# KiCad board fpgaboard.kicad_pcb (continued)
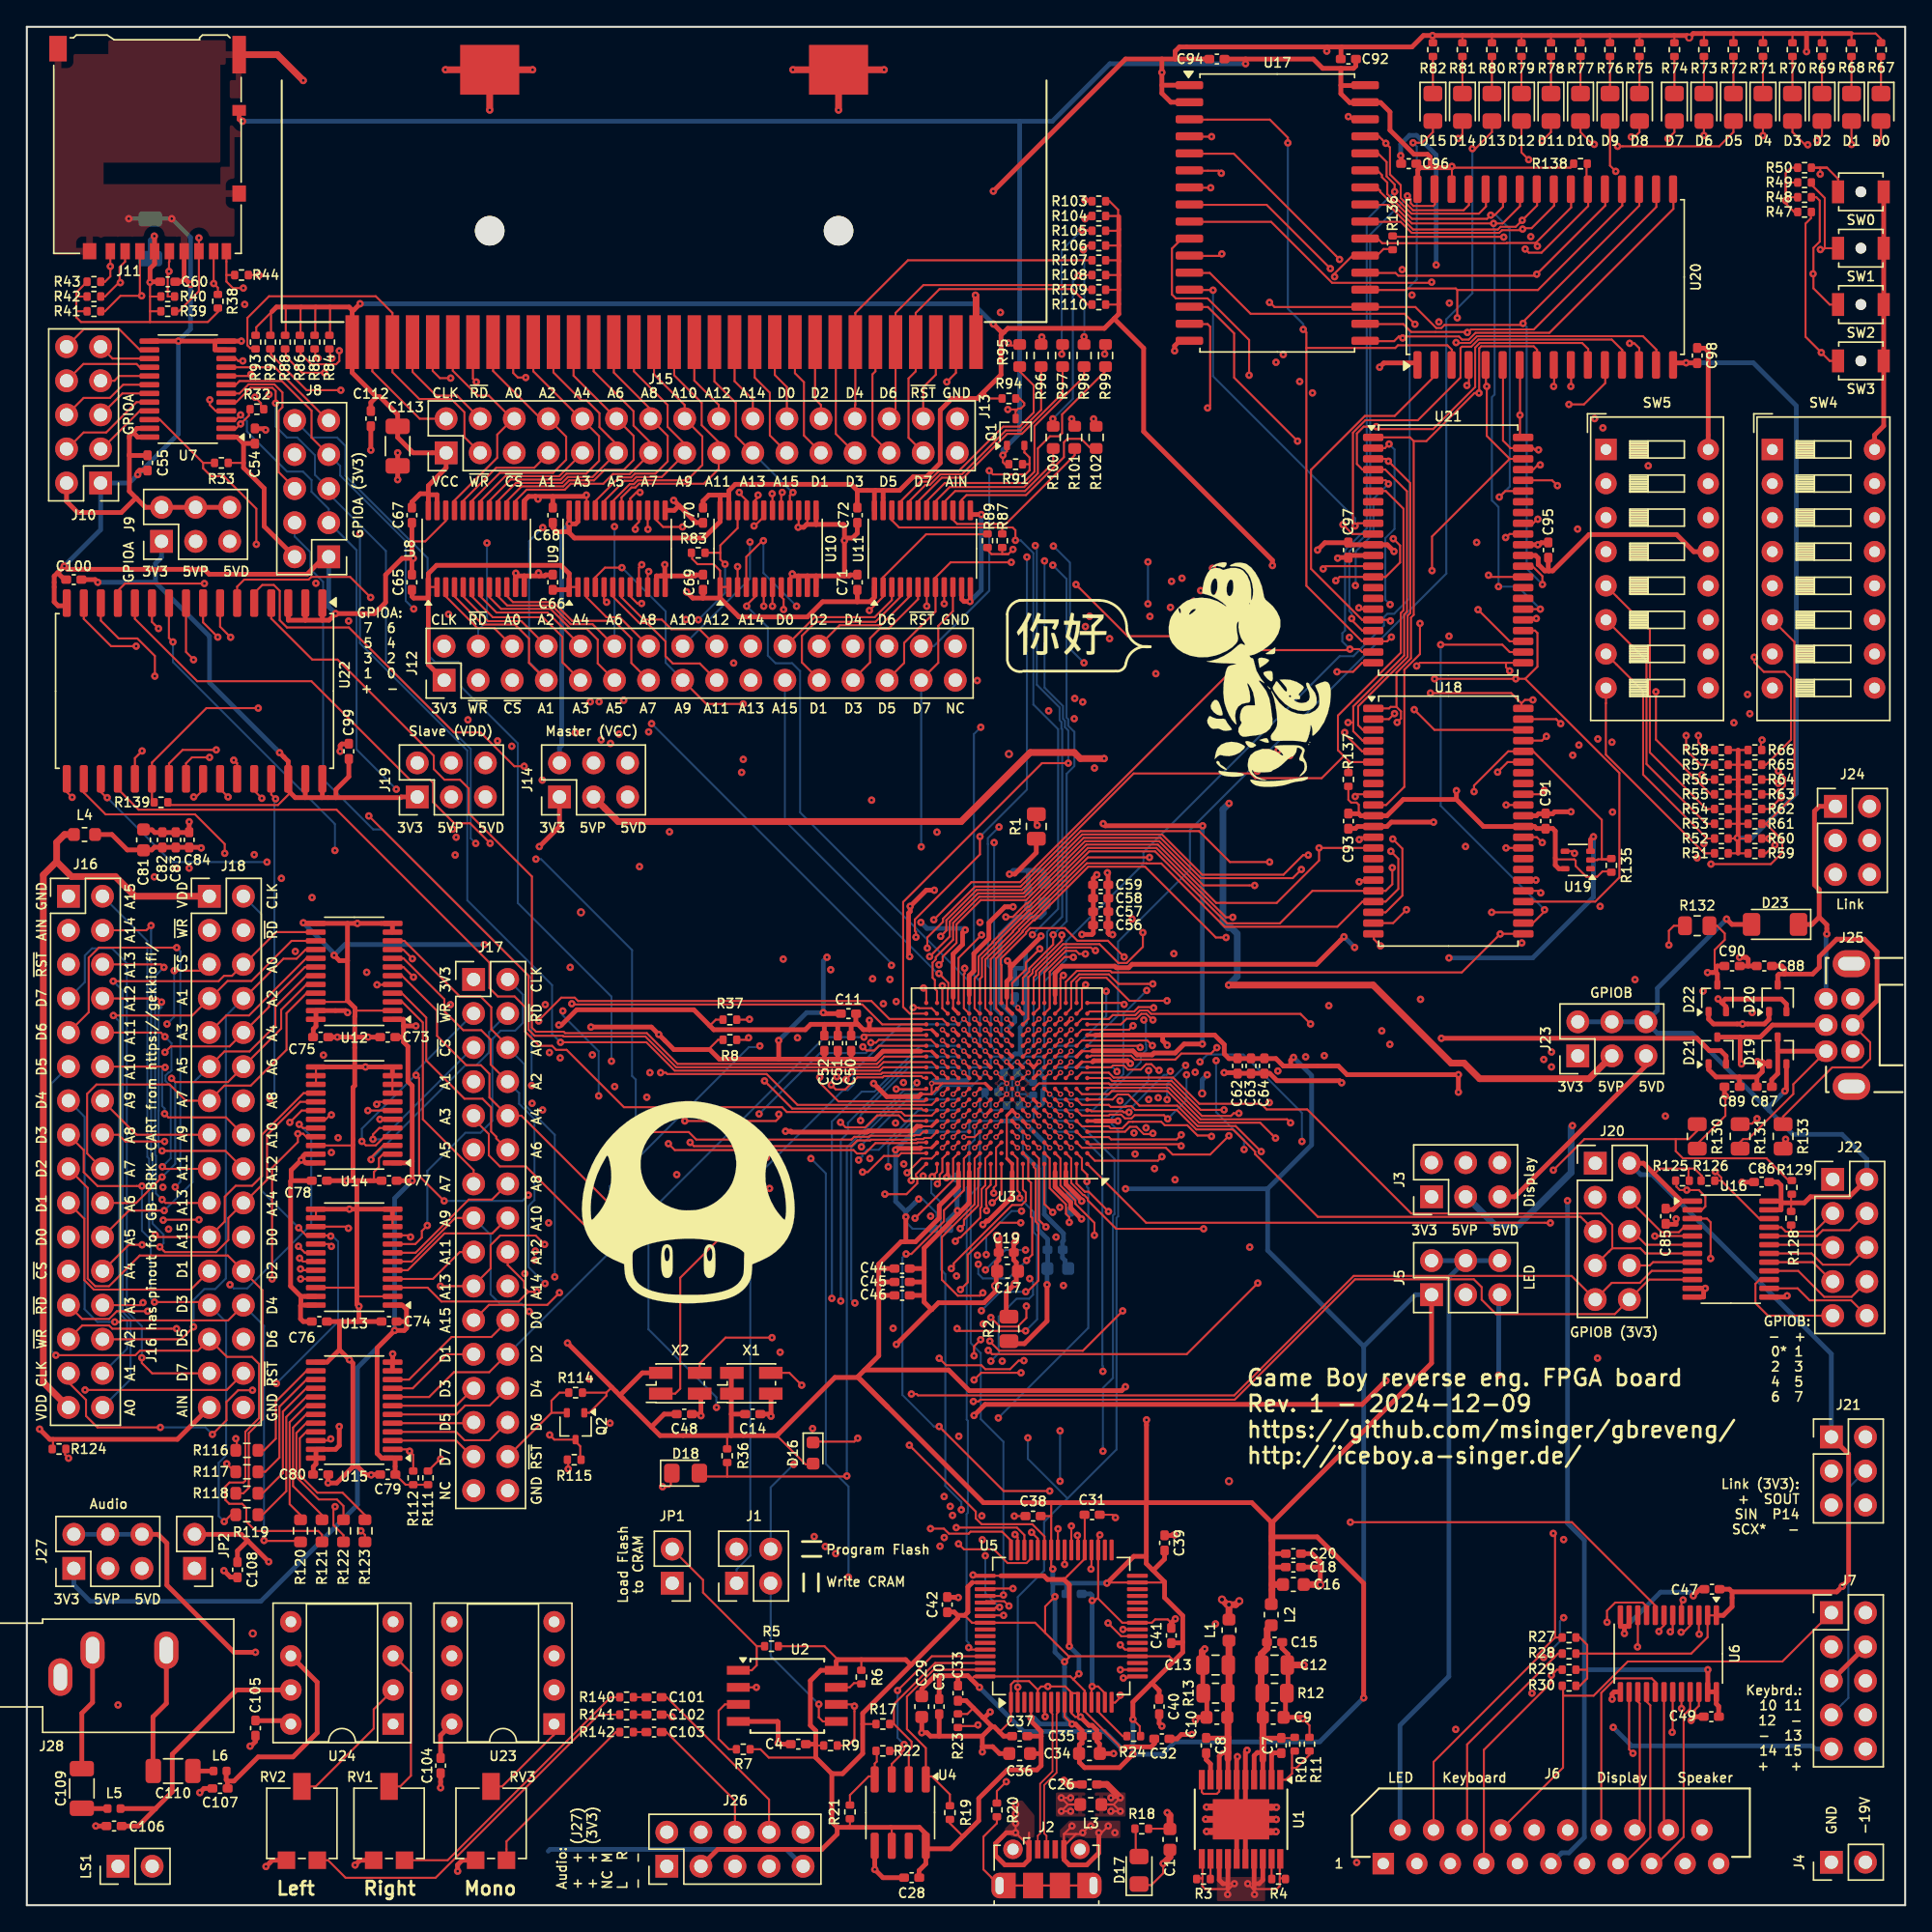
[diagram p0: board, top side]
## Routing (per net, layer and track width the routed paths; a pad name or vN(x,y) marks a point on that pad's centre or on a via; arc(x,y) is an arc through that point) (continued)
  Bottom w0.35: v1(109.7,39.5) 109.7,45.42 J5.5
+5VP: length 420.4
  Top w0.15: U1.11 87.62,3.4 87.62,2.05 87.57,2 ; v1(89.5,0.8) 89.53,0.82 89.53,1.2 ; 89.53,1.3 89.7,1.3 v1(90,1.6) ; v1(91,1.6) 91.38,1.22 91.47,1.22 ; 93.43,2 93.39,2.04 93.39,3.41 U1.20 ; 93.43,2 93.75,2 ; 93.43,2 93.38,1.96 93.38,1.42 93.16,1.2 91.5,1.2 91.47,1.22 ; 85.2,5.65 85.15,5.7 83.55,5.7 ; 87.57,2 87.25,2 ; 87.57,2 87.62,1.96 87.62,1.4 87.82,1.2 89.53,1.2 ; 89.53,1.2 89.53,1.22 ; 80.05,7.5 81,7.5 ; 81,7.5 v1(81.5,7) v1(80.8,7) ; 81,7.5 v1(81.5,8) v1(80.8,8) ; v1(91.5,0.8) 91.47,0.82 91.47,1.22
  Top w0.35: 89.53,1.22 89.53,1.6 ; 89.53,1.6 89.15,1.6 88.88,1.88 U1.13 ; 89.53,1.6 U1.14 ; 91.47,1.6 91.85,1.6 92.12,1.88 U1.18 ; 91.47,1.6 U1.17 ; 91.47,1.6 91.47,1.22
  Top w0.5: J23.3 116.44,61.6 108.28,61.6 107.12,62.76 106.16,62.76 100.35,68.58 v1(89.57,68.58) ; 85.2,5.65 85.2,6.7 v1(85,6.9) ; v1(80.3,85.46) 78.52,85.46 78.07,85.91 74.79,85.91 69.64,80.77 44.07,80.77 J14.3 ; v1(81.5,8) 80.5,9 79.75,9
  In1.Cu w0.5: J3.3 109.34,50.7 111.1,50.7 111.7,50.1 111.7,43.4 ; 111.7,43.4 109.3,43.4 107.24,45.46 J5.3 ; 111.7,43.4 111.7,18.3 v1(106.5,13.1) ; v1(115.2,58.1) 118.14,61.04 J23.3
  In2.Cu w0.5: v1(81.5,8) 79.9,9.6 78.5,9.6 77.5,10.6 54.5,10.6 42,23.1 8.04,23.1 J27.3 7.33,26.39 7.33,42.69 7.65,43.01 7.65,43.59 7.3,43.94 7.3,80.3 ; v1(91.5,0.8) 94.2,0.8 v1(106.5,13.1) ; 7.3,80.3 7.65,79.95 30.15,79.95 31.64,81.44 31.64,81.76 ; 7.3,80.3 7.3,93.9 12.58,99.18 J9.3 ; v1(80.3,85.46) 86.27,85.46 v1(89.61,82.12) ; 31.64,81.76 J19.3 31.64,81.76 ; 31.64,81.76 33.1,80.3 41.6,80.3 42.24,80.94 J14.3
  Bottom w0.5: v1(89.61,82.12) 89.15,81.66 89.15,73.25 89.54,72.86 89.76,72.86 90.21,72.41 90.21,69.22 v1(89.57,68.58) ; J3.3 107.3,52.8 109.4,50.7 111.2,50.7 115.1,54.6 115.1,58 v1(115.2,58.1)
/Audio/VCC_AMP: length 67
  Top w0.35: J27.6 9.78,27.64 10.44,26.98 10.44,23.85 15.44,18.85 v1(17.04,18.85) ; U23.8 30.84,12.66 30.84,10.95 ; 17.04,13.75 19.43,13.75 U24.8
  In1.Cu w0.35: U24.8 17.04,16.14 v1(17.04,18.85) ; J26.1 J26.2
  In2.Cu w0.35: J26.2 39.74,5.44 U23.8 29.23,11.05 22.13,11.05 U24.8
  Bottom w0.35: J27.2 J27.4 J27.6
/Bank0: Display, Keyboard, Clock/-19V: length 35.1
  In2.Cu w0.35: J6.3 105.23,1.47 135.68,1.47 137.04,2.83 J4.2
/Bank0: Display, Keyboard, Clock/VCC_DISP: length 76
  Top w0.35: 126.1,14.05 126.1,14.82 125.93,15 125.93,15.9 125.28,15.9 125.29,15.91 v1(125.29,17.55)
  In2.Cu w0.35: v1(114.83,52.51) 112,55.34 J3.6 J3.4 J3.2
  Bottom w0.35: 116.09,17.6 116.14,17.55 v1(125.29,17.55) ; 116.09,17.6 116.09,5.05 114.94,3.9 114.4,3.9 J6.11 ; 116.09,17.6 116.09,27.2 114.83,28.46 v1(114.83,52.51)
/Bank1: GPIOA/VCC_GPIO_A: length 24
  Top w0.35: 9.15,110.08 8.22,110.08 7.84,109.7 ; 8.18,104.85 7.64,105.39 7.64,108.05 ; 8.18,104.85 8.09,104.85 7.04,103.8 3.79,103.8 2.96,104.63 J10.2 ; 8.18,104.85 8.84,104.19 J9.2 J9.4 J9.6 ; 7.64,108.05 7.64,109.5 7.84,109.7 ; 7.64,108.05 9,108.05 ; 7.84,109.7 7.99,109.7 8.25,109.44 8.25,109.42 9.15,109.42
/External Link Port, GPIOB/VCC_ELP: length 17.9
  Top w0.35: 133.59,73.64 133.05,73.1 D23.1 ; 133.59,73.64 133.59,75.7 133.24,76.05 133.24,81.54 133.6,81.9 J24.1 ; 133.59,73.64 134.16,73.07 v1(134.16,72.39)
  Bottom w0.35: J25.1 134.1,72.33 v1(134.16,72.39)
/External Link Port, GPIOB/VCC_GPIO_B: length 56.6
  Top w0.15: 131.5,51.65 131.5,52.94 R129.1
  Top w0.35: 130.75,52.3 130.8,52.35 132.49,52.35 132.94,52.8 135.84,52.8 J22.2 ; 130.75,52.47 130.75,53.65 130.5,53.9 129.85,53.9 ; 130.75,52.47 130.75,51.83 129.85,51.83 ; 130.75,52.47 129.85,52.47 ; v1(126.69,73.5) 127.09,73.1 D23.2 ; D19.2 131.15,60.8 v1(131.03,60.68)
  Bottom w0.35: 129.84,59.25 129.84,59.49 v1(131.03,60.68) ; 129.84,59.25 131.64,57.45 135.29,57.45 137.14,55.6 J22.2 ; 129.84,59.25 124.1,64.99 121.53,64.99 J23.6 ; v1(126.69,73.5) 121.53,68.34 121.53,66.69 J23.6 ; J23.6 J23.4 J23.2
/Power, USB, SPI/GNDPLL0: length 13.9
  Top w0.25: U3.N8 v3(73.04,65.25)
  Bottom w0.35: 74.64,73.65 75.54,73.65 75.84,73.95 75.84,74.7 ; 74.64,73.65 74.64,74.5 ; 74.64,73.65 73.84,73.65 72.54,72.35 72.54,67.26 73.64,66.15 73.64,65.85 v3(73.04,65.25)
/Power, USB, SPI/GNDPLL1: length 12.5
  Top w0.25: U3.E7 v3(74.64,58.05)
  Bottom w0.15: 75.84,56.85 75.84,56.05
  Bottom w0.35: 75.84,56.85 v3(74.64,58.05) ; 77.19,48.85 77.19,49.45 77.26,49.52 77.26,50.06 75.84,51.49 75.84,56.05 ; 77.19,48.85 77.19,48.25 77.39,48.05 77.39,47.65 77.59,47.45 ; 77.19,48.85 77.24,48.85
/Power, USB, SPI/VBUS: length 15
  Top w0.15: 74.7,4.4 v1(73.7,5.4) v1(73.7,6.1) v1(73.7,6.8) v1(73.7,7.5) ; 74.7,4.4 J2.1 ; 74.7,4.4 74.7,5.4 ; 78.55,7.5 77.6,7.5 ; 77.6,7.5 v1(77.1,8) v1(77.8,8) ; 77.6,7.5 v1(77.1,7) v1(77.8,7)
  Top w0.35: v1(73.7,5.4) 73,5.4 72.2,4.6 72.2,3.7 72.9,3 74.3,3 74.7,3.4 J2.1
/Power, USB, SPI/VCCPLL0: length 24.7
  Top w0.25: U3.L8 v3(73.04,63.65)
  Top w0.35: v1(73.24,76.85) 73.64,76.85 75.24,78.45 75.24,79.45
  In1.Cu w0.35: v3(73.04,63.65) 73.64,64.25 73.64,66.36 73.24,66.76 73.24,69.41 71.94,70.71 71.94,72.35 71.37,72.92 71.37,72.92 v1(71.04,73.25)
  In2.Cu w0.35: v1(71.04,73.25) 71.04,74.65 v1(73.24,76.85)
  Bottom w0.35: v1(73.24,76.85) 73.51,77.12 74.64,77.12 ; 75.84,76.2 75.84,76.95 75.67,77.12 74.64,77.12 ; 74.64,77.12 74.64,75.6
/Power, USB, SPI/VCCPLL1: length 19.8
  Top w0.25: U3.E8 v3(73.84,58.05)
  Top w0.35: v1(76.04,46.25) 76.04,43.54 74.35,41.85 73,41.85
  Bottom w0.15: 74.24,57.65 74.24,56.05
  Bottom w0.35: 74.24,57.65 v3(73.84,58.05) ; v1(76.04,46.25) 76.04,47.4 76.09,47.45 76.09,49.64 75.39,50.34 75.39,54.9 74.24,56.05
GND: length 2210.5
  Top w0.102: v3(73.84,61.25) U3.J7 v3(74.64,62.05) ; v3(73.04,61.25) U3.J9 v3(72.24,62.05) ; v3(73.84,60.45) U3.G7 v3(74.64,59.65) ; v3(72.24,59.65) U3.G9 v3(73.04,60.45)
  Top w0.15: 66.64,63.65 67.44,63.65 ; 66.64,58.05 67.44,58.05 ; v1(3.11,33.31) 2.85,33.58 2.85,34 ; 21.55,46.03 24.58,46.03 24.6,46.05 ; 126.75,80.6 128.35,80.6 ; v1(79.97,27.59) 79.85,27.47 79.85,22.85 ; 129.39,139.5 129.4,139.49 129.4,138.75 ; 78.64,62.85 79.44,62.85 ; 75.35,16.05 74.7,16.7 73.6,16.7 73.35,16.45 73.35,13.75 72.5,12.9 ; 75.35,16.05 75.6,16.3 v1(76.1,16.3) 77.4,16.3 77.8,15.9 77.8,15.8 ; 75.35,16.05 75.35,15.1 ; v1(104.77,139.35) 104.8,139.32 104.8,138.75 ; 41.72,103.95 41.72,105.08 v1(41.7,105.1) ; 25.84,54 25.87,54.03 25.87,54.65 26.24,55.02 26.24,55.66 26.55,55.97 27.25,55.97 ; 77.8,15.8 78.3,15.8 78.35,15.75 78.35,14.21 v1(78.53,14.03) 78.14,14.03 77.85,14.32 77.85,15.75 77.8,15.8 ; v1(47.38,31.19) 47.89,31.19 48,31.3 48,32.2 ; 128.35,82.8 126.75,82.8 ; 87.95,15.5 87.65,15.8 ; v1(73.65,27.63) 73.85,27.43 73.85,26.5 ; 58.08,102.95 58.17,103.05 58.17,103.95 ; v1(79.9,5.4) 80.1,5.4 v1(80.6,5.9) ; 50.9,63.77 50.9,63.88 51.52,64.5 51.95,64.5 ; 24.46,66.65 24.48,66.67 27.25,66.67 ; 128.35,86.1 126.75,86.1 ; 77.3,5.3 78.2,5.3 ; 77.3,5.3 77.3,4.4 ; 77.3,5.3 v1(77.9,5.9) ; 78.2,5.3 77.3,4.4 ; 78.2,5.3 78.6,5.3 v1(78.7,5.4) 79.2,5.9 v1(79.3,5.9) ; v1(57.49,102.7) 57.53,102.73 57.53,103.95 ; 57.53,98.25 57.53,99.08 ; 111.4,138.75 111.4,139.34 111.39,139.35 ; 21.55,56.62 24.28,56.62 24.31,56.65 ; v1(73.5,23.6) 71.45,23.6 71.4,23.55 ; v1(131.1,127.05) 131.35,127.3 132.05,127.3 ; v1(131.1,127.05) 131.1,127.05 131.1,126.84 131.73,126.2 132.05,126.2 ; v1(131.1,127.05) 131.1,127.65 ; 118,138.75 118,139.34 117.99,139.35 ; 126.75,83.9 128.35,83.9 ; 122.8,138.75 122.8,139.34 122.79,139.35 ; 133.8,138.75 133.8,139.46 133.84,139.5 ; 77.3,4.4 J2.5 77.3,4.4 ; 131.1,127.65 131.1,128.4 132.05,128.4 ; 131.1,127.65 131.1,129.11 131.49,129.5 132.05,129.5 ; 27.25,60.53 27.25,61.83 ; 31.22,103.95 31.22,103.18 29.7,101.65 28.7,101.65 ; 138.2,138.75 138.2,139.1 137.8,139.5 135.99,139.5 136,139.49 136,138.75 ; 27.25,50.58 27.25,51.22 ; 109.19,139.35 109.2,139.34 109.2,138.75 ; 124.33,14.05 124.33,14.56 124.62,14.85 124.62,15.9 ; 21.55,62.47 21.55,61.17 ; v1(81.13,28.88) 80.92,29.1 79.95,29.1 ; 82.9,1.5 83.82,1.5 84.7,2.38 v1(84.7,3.1) ; 16.45,121.5 17.29,121.5 v1(17.31,121.48) ; 27.25,45.38 24.67,45.38 24.6,45.45 ; 127.19,139.5 127.2,139.49 127.2,138.75 ; 79.85,22.85 79.75,22.85 79.6,22.7 v1(79.4,22.7) ; 79.85,22.85 81.65,21.05 83.85,21.05 84.1,21.3 85.04,21.3 85.3,21.04 ; 126.75,78.4 128.35,78.4 ; 87.65,17.85 87.6,17.9 ; 72.3,7.55 72.3,8.5 v1(73,9.2) ; 70.55,14.7 70.1,14.25 69.4,14.25 ; v1(95.1,13.9) 95.6,13.4 95.6,12.45 ; 126.75,81.7 128.35,81.7 ; 125,138.75 125,139.46 125.04,139.5 ; 131.64,139.5 131.6,139.46 131.6,138.75 ; 21.55,67.33 23.8,67.33 23.9,67.42 ; 113.6,138.75 113.6,139.34 113.59,139.35 ; 128.35,79.5 127.52,79.5 v1(127.48,79.54) 127.44,79.5 126.75,79.5 ; 57.05,99.08 57,99.08 56.88,98.95 56.88,98.25 ; 120.24,139.35 120.2,139.31 120.2,138.75 ; 21.55,51.22 21.55,51.88 ; 128.35,85 126.75,85 ; 80.35,15.1 80.35,15.8 79.85,16.3 v1(79.4,16.3) 79.35,16.25 79.35,15.1 ; 115.8,138.75 115.8,139.34 115.79,139.35 ; 106.99,139.35 107,139.34 107,138.75 ; 74.45,29 v1(73.6,29)
  Top w0.155: J11.11 2.33,138.18
  Top w0.25: U3.K2 78.64,62.85 ; U3.A12 70.24,54.65 ; 70.24,67.85 U3.T12 ; U3.A4 76.64,54.65 ; U3.R7 73.87,66.82 ; 76.64,67.85 U3.T4 ; 67.44,58.05 U3.E15 ; U3.L15 67.44,63.65 ; U3.K7 v3(73.84,62.85)
  Top w0.35: 69.43,51.53 70.24,52.34 70.24,54.65 ; 69.43,51.53 66.88,48.98 66.88,47.45 ; 69.43,51.53 69.43,51.69 v1(69.36,51.76) ; 98.5,80.25 99.03,80.25 99.18,80.4 101.38,80.4 101.7,80.72 v1(104.85,80.72) ; 60.94,101.9 60.94,102.85 60.88,102.91 58.83,102.91 ; 60.94,101.9 61.54,101.9 61.9,102.26 61.9,103.05 ; 60.94,101.9 v1(60.94,101.71) 60.94,99.08 ; 47.58,98.75 47.58,98.66 ; 47.58,98.75 47.58,99.08 ; 47.58,98.75 47.58,98.66 ; 47.58,98.66 47.58,98.25 ; 98,138.5 103.24,138.5 104.09,139.35 v1(104.77,139.35) 123.75,139.35 v2(123.9,139.2) 124.2,139.5 132.64,139.5 ; 98,138.5 96.92,138.5 ; 98,138.5 97.95,138.45 97.95,137.6 ; 118.78,21.6 118.78,20.77 119.07,20.77 ; v1(69.43,22.93) 69.14,22.93 69.13,22.95 68.6,22.95 ; v1(118.16,15.35) 118.16,15.74 118.32,15.9 118.78,15.9 ; v1(56.55,57.68) 56.94,57.68 57,57.62 62.63,57.62 62.71,57.7 66,57.7 66.35,58.05 66.64,58.05 ; 47.25,99.08 47.58,99.08 ; 47.25,99.08 46.92,99.08 46.92,98.25 ; 47.25,99.08 47.55,99.08 v1(47.55,99.92) ; 47.58,99.08 49.8,99.08 49.87,99.15 50.4,99.15 ; 26.35,32.1 25.77,32.1 25.74,32.07 v1(25.67,32.07) 25.28,32.07 24.65,32.7 24.3,32.7 ; 71.21,12.6 71.22,12.6 71.22,11.81 ; 71.21,12.6 71.9,13.29 ; 71.21,12.6 68,12.6 ; 23.9,73.17 23.9,70.4 ; 23.9,73.17 24.44,73.17 ; 23.9,73.17 20.66,73.17 v1(20.61,73.22) ; 23.9,70.4 23.9,67.42 24.46,66.87 24.46,66.26 24.44,66.24 24.44,64.65 ; 23.9,70.4 23.3,70.4 v1(22.9,70.8) ; 38.19,99.08 37.08,99.08 ; 38.19,99.08 38.19,99.25 v1(38.14,99.3) ; 38.19,99.08 38.6,99.08 38.67,99.15 39.2,99.15 ; 37.08,99.08 36.44,99.08 ; 37.08,99.08 37.08,98.25 ; 24.58,51.88 v1(24.04,51.88) 21.55,51.88 ; 24.58,51.88 27.25,51.88 27.25,51.22 ; 24.58,51.88 24.6,51.85 ; 22.03,95.77 22.03,96.85 ; 22.03,95.77 20.75,95.77 ; 22.03,95.77 22.52,95.77 v1(23.01,96.27) 25.91,96.27 26.74,97.1 26.74,99.15 27.97,100.38 v1(28.8,100.38) ; 124.98,45.97 v1(125.1,45.97) ; 124.98,45.97 124.15,45.97 ; 124.98,45.97 124.98,45.33 124.15,45.33 ; 132.64,139.5 135.99,139.5 ; 132.64,139.5 132.65,139.49 v1(132.65,138.15) ; 36.44,99.08 v1(36.44,99.28) ; 36.44,99.08 36.42,99.08 36.42,98.25 ; v1(72.04,127.75) 81.89,137.6 84.6,137.6 ; 94.95,26.2 95.8,26.2 96.41,25.59 96.41,25.2 ; 63.19,4.2 63.19,3.67 ; 63.19,3.67 63.19,3.15 ; 63.19,3.67 63.2,3.67 v1(63.2,2.66) 63.81,2.05 65.4,2.05 ; 55.08,38.12 X1.2 55.47,38.11 v1(55.47,36.44) 55.31,36.6 54.65,36.6 ; v1(27.64,108.25) v1(27.64,106.25) ; 24.44,73.17 v1(24.64,73.17) ; 24.44,73.17 27.25,73.17 27.25,72.53 ; 26.45,43.5 24.64,43.5 ; 122.4,50.75 122.93,50.75 v1(122.93,51.15) ; v1(48.21,104.71) 48.76,104.16 ; 48.76,104.16 48.61,104.31 48.26,103.96 U9.13 ; 48.76,104.16 49.87,103.05 50.4,103.05 ; 60.69,66.45 59.44,66.45 v1(59.37,66.52) ; 69.67,98.25 69.67,97.35 69.86,97.17 v1(70.29,97.17) 70.33,97.2 70.33,98.25 ; 14.02,116.58 v1(15.99,116.58) ; 14.02,116.58 14.02,115.92 14.85,115.92 ; 14.02,116.58 v1(11.29,116.58) 9.15,116.58 ; v1(89.24,62.05) 90.19,62.05 90.24,62 92.64,62 93.19,61.45 97.85,61.45 v1(98,61.3) ; 49.55,36.6 50.13,36.6 v1(50.25,36.48) 50.25,37.95 50.08,38.12 ; v1(85.55,115.85) 85.55,116.22 85.9,116.58 87.05,116.58 ; v1(67.64,75.65) 67.04,75.65 v1(65.84,74.45) 65.84,74.06 65.72,73.94 65.72,70.78 v1(65.8,70.7) ; U17.1 84.6,135.65 ; 84.6,135.65 84.6,135.05 85.27,134.38 U17.2 ; 84.6,135.65 v1(84.6,136.6) 84.6,137.6 ; 22.45,32.1 v1(22.45,31.47) 23.1,31.47 24.3,32.67 24.3,32.7 ; 71.22,11.81 71.99,11.81 72.5,11.3 73.25,11.3 ; 71.22,11.81 v1(71.22,11.42) ; 69.4,15.25 70,15.25 71.25,14 ; v1(78.64,72.35) 79.39,72.35 79.49,72.45 79.49,76.54 v1(79.75,76.8) ; v1(32.11,2.53) 32.11,3.01 32.45,3.35 RV3.3 ; v2(96.41,23.88) 96.41,25.2 ; 96.41,25.2 94.95,25.2 ; v1(30.84,8.75) 30.84,9.85 ; 85.59,137.6 84.6,137.6 ; 85.59,137.6 88.15,137.6 ; 85.59,137.6 85.59,138.18 85.91,138.5 96.92,138.5 ; 93.55,19.6 93.55,19.16 94,18.71 94,15.85 93.81,15.66 93.81,14.16 93.65,14 95,14 v1(95.1,13.9) ; v1(17.83,2.88) 18.29,3.35 RV2.3 ; 17,110.05 17.7,110.05 v1(17.8,109.95) ; v1(8.27,106.63) 8.27,106.82 8.4,106.95 9,106.95 ; v1(128.99,62.88) 129.38,62.88 129.46,62.81 129.35,62.7 ; 22.45,64.7 23.24,64.7 ; 23.24,64.7 v1(23.14,64.7) ; 23.24,64.7 24.49,64.7 ; 8.7,80.15 9.33,80.15 9.53,79.95 10.1,79.95 12.1,79.95 v1(12.1,80.75) ; v1(42.04,65.45) 46.55,65.45 v1(47.1,64.9) 48.23,63.77 50.9,63.77 51.62,63.06 56.04,63.06 ; 96.92,138.5 96.92,138.22 v1(96.89,138.19) ; 128.95,61.73 129.35,62.12 129.35,62.7 ; 128.95,61.73 128.95,61.2 ; 128.95,61.73 127.65,61.73 ; 56.04,63.06 59.44,63.06 ; 56.04,63.06 v1(56.04,64.45) ; v1(119.07,20.25) 119.07,20.77 ; 119.07,20.77 119.43,20.77 119.43,21.6 ; 24.44,62.45 24.44,64.65 ; 24.44,62.45 24.42,62.47 ; 24.44,62.45 24.44,61.08 24.31,60.95 24.31,54 ; 87.65,15.8 87.65,17.85 ; D22.1 125.35,66.04 125.71,65.68 v1(127.88,65.68) 129.51,65.68 129.85,66.02 D20.1 ; 11.73,121.22 11.5,121 11.05,121 ; 11.73,121.22 11.78,121.22 v1(12.2,120.8) ; 11.73,121.22 J11.6 ; 26.45,54 24.64,54 ; 60.94,99.08 61.3,99.08 61.37,99.15 61.9,99.15 ; 60.94,99.08 58.83,99.08 ; 127.55,86.1 127.55,78.4 ; 24.64,54 24.6,53.96 24.6,51.85 ; 24.64,54 24.31,54 ; 87.95,15.5 87.95,14 87.3,14 v1(87.1,13.8) ; v1(85.6,21.34) 85.3,21.04 85.3,20.65 ; 67.44,44.39 67.4,44.39 v1(64.81,41.8) ; 67.44,44.39 67.95,44.9 71.34,44.9 72.17,45.73 v2(72.17,46.16) 72.25,46.23 72.25,47.89 72.45,48.09 72.45,49.1 ; 67.44,44.39 66.88,44.95 66.88,45.45 ; 73.87,66.82 v3(73.87,66.9) ; 24.31,54 v1(23.84,54) 22.35,54 ; v1(57.49,102.7) 57.9,102.7 58.11,102.91 58.83,102.91 ; J2.5 77.3,3.4 77.7,3 79,3 79.9,3.9 v1(79.9,5.4) ; 24.64,43.5 23.3,43.5 ; 24.64,43.5 24.75,43.61 v1(24.75,44.64) 24.74,44.64 24.6,44.77 24.6,51.85 ; 68,14.25 68,12.6 ; 68,12.6 67.35,12.6 67.09,12.85 v1(66.7,12.85) 66.7,14.05 66.7,14.05 ; 24.42,62.47 v1(25.24,62.47) 27.25,62.47 27.25,61.83 ; 24.42,62.47 21.55,62.47 ; v1(71.8,14.4) 71.4,14 71.25,14 ; 66.64,63.65 63.81,63.65 63.22,63.06 61.44,63.06 ; v1(24.47,2.99) 24.83,3.35 RV1.3 ; v1(73.5,74.41) 72.89,74.41 71.71,73.22 71.71,72.05 70.58,70.93 70.58,69.62 70.24,69.28 70.24,67.85 ; 60.44,63.06 61.44,63.06 ; 60.44,63.06 59.44,63.06 ; 60.44,63.06 60.44,63.7 ; 61.44,63.06 61.44,63.7 ; 71.25,14 71.9,13.35 71.9,13.29 ; 13.85,8.7 13.2,8.7 12.89,8.39 v1(12.89,8.39) ; 28.7,99.15 28.7,100.28 v1(28.8,100.38) ; 125,14.05 124.33,14.05 v1(124.05,13.77) ; 84.4,14.25 84.4,13.54 v1(84.6,13.34) ; 24.49,64.7 v1(25.44,64.7) 26.35,64.7 ; 24.49,64.7 24.44,64.65 ; 24,86.55 23.47,86.55 23.35,86.43 v1(23.35,86) ; 59.44,63.7 59.44,63.06 ; 66.88,47.45 66.88,46.45 ; 66.88,47.45 65.79,47.45 ; 66.88,46.45 65.79,46.45 ; 66.88,46.45 66.88,45.45 ; v1(100.83,114.63) 101.15,114.95 103.68,114.95 ; v1(78.61,51.15) 77.8,51.96 77.8,52.38 76.64,53.54 76.64,54.65 ; 22.35,43.5 23.3,43.5 ; 23.3,43.5 23.3,41.4 ; 73.45,12.6 72.8,12.6 72.11,13.29 71.9,13.29 ; U1.21 90.18,6.07 U1.15 ; U1.21 90.82,6.72 U1.5 90.82,11.43 v1(90.95,11.55) ; U1.21 90.82,6.07 U1.16 ; U1.21 90.18,6.72 U1.6 90.18,11.01 v1(90.23,11.07) ; 23.3,41.4 v1(24.04,40.66) 24.3,40.4 24.3,32.7 ; 23.3,41.4 22.38,40.47 21.55,40.47 ; 102.45,129.8 102.45,130.35 v1(102.4,130.4) ; 20.75,95.77 19.48,95.77 19.48,96.85 ; 20.75,95.77 20.75,96.85 ; v1(28.8,100.38) 28.7,100.49 28.7,103.05 ; 58.83,99.08 58.17,99.08 ; 58.83,99.08 58.83,98.25 ; 113.4,101.55 112.87,101.55 112.72,101.4 v1(112.62,101.4) 111.4,101.4 ; 58.83,103.95 58.83,102.91 ; 58.17,99.08 58.17,98.25 ; 58.17,99.08 57.05,99.08 v1(57.05,99.22) ; 128.3,70 128.3,70.5 128.16,70.64 v1(127.66,70.64) ; 128.3,70 127.65,70 ; 128.3,70 128.95,70 ; 127.65,61.73 125.9,61.73 125.35,62.28 D21.1 ; 127.65,61.73 127.65,61.2 ; 58.83,103.54 58.83,103.43 ; 100.4,100.6 98.65,100.6 98.5,100.45 97.75,100.45 v1(97.7,100.4) ; v1(81,11.3) 79.95,11.3 79.95,12.03 79.75,12.22 79.75,13.05 79.4,13.4 79.16,13.4 v1(78.53,14.03) ; 15.7,24.45 15.17,24.45 v1(14.69,24.94) ; U2.4 55.95,13.69 56,13.65 v1(56,12.08) 56.08,12 57.05,12 ; 66.88,45.45 65.79,45.45 ; 39.2,105 39.2,104.15 ; v1(115.09,81.49) 113.87,81.49 113.73,81.35 112.67,81.35 112.52,81.2 111.4,81.2 ; 37.9,105 v1(38.1,104.8) ; 37.9,105 41.6,105 v1(41.7,105.1) ; 37.9,105 37.4,105 37.08,104.67 37.08,103.95 ; 2.98,96.85 2.33,96.85 2.04,97.14 2.04,99.06 v1(2.79,99.81) 3.03,99.57 13.22,99.57 13.59,99.2 20.89,99.2 22.19,100.5 J8.1 ; v1(131.2,45.42) 131.11,45.33 129.85,45.33 ; 2.95,98.8 2.8,98.8 2.29,99.31 ; 129.35,62.7 D19.1 ; v1(124.21,23.06) 124.7,23.55 C47.2 ; J7.4 137.03,19.26 134.5,16.73 J7.5 ; 25.64,110.25 v1(25.64,108.45) ; 79.44,62.85 79.53,62.94 82.05,62.94 v1(82.25,62.73) ; 85.88,134.35 87.05,134.35 ; 76.64,67.85 76.64,69.47 77.16,69.99 81.09,69.99 81.2,69.87 82.13,69.87 82.38,70.13 96.12,70.13 v1(98.17,72.18) ; U19.3 116.55,79.42 v1(116.76,79.64) ; 122.72,114.95 123.66,114.95 v1(123.67,114.96) 123.68,114.95 124.5,114.95 ; 85.15,12.4 85.73,12.4 86.05,12.72 v1(86.84,12.72) ; v1(71.14,103.65) 70.33,103.65 70.33,103.95 ; 84.8,27.55 85.33,27.55 85.37,27.59 v1(85.54,27.59) ; 27.25,39.83 27.25,40.47 27.27,40.49 v1(27.27,41.09) ; 5.95,5.9 v1(5.14,5.9) ; 128.75,53.9 128.74,53.89 v1(127.84,53.89) ; v1(16.64,11.85) 16.7,11.85 17.04,12.19 17.04,12.65
  Top w0.5: U1.21 91.1,6.4 ; U1.21 87.86,6.4 v1(87.86,6.4) ; U1.21 93.11,6.4 v1(93.12,6.39) ; U1.21 89.9,6.4 ; 91.1,6.4 92,7.3 v1(93.14,7.3) ; 91.1,6.4 92.02,5.48 v1(93.11,5.48) ; v1(87.8,19.1) 87.6,18.9 87.6,17.9 ; J15.32 v1(31.2,136.8) ; J15.32 v1(34.5,133.8) ; J15.32 v1(37.7,136.8) ; J15.32 v1(57.1,136.8) ; J15.32 v1(63.9,136.8) ; J15.32 v1(60.5,133.8) ; v1(87.93,7.31) 88.99,7.31 89.9,6.4 ; J15.32 70.75,119.95 v1(70.7,120) ; 78.65,9 77.6,9 v1(77.3,9.3) ; 85.2,4.15 85.2,3.6 v1(84.7,3.1) ; 89.9,6.4 88.99,5.49 v1(87.93,5.49) ; J11.11 18.67,137.93 v1(20.6,136) ; v2(72.3,49.9) 72.45,49.75 72.45,49.1 ; 95.15,23.9 96.38,23.9 v2(96.41,23.88) ; v1(95.2,17.9) 94,17.9
  In1.Cu w0.15: v1(79.9,5.4) 79.8,5.4 v1(79.3,5.9) ; v1(80.6,5.9) v1(81.1,5.4)
  In1.Cu w0.35: v1(87.8,19.1) 85,16.3 v1(79.4,16.3) 78.92,16.3 77.31,14.69 ; 106,80.7 v1(106,70.6) 106,61.25 ; 106,80.7 v1(106,94.58) 106,99 104.7,100.3 97.8,100.3 v1(97.7,100.4) 91.4,106.7 ; 106,80.7 105.98,80.72 v1(104.85,80.72) ; 112.35,10 107.95,10 100.05,17.9 ; 70.35,92.69 70.29,92.75 ; 70.35,92.69 J12.32 70.29,94.93 v1(70.29,97.17) ; 70.35,92.69 73.84,89.2 73.84,85.94 ; 76.9,9.7 73.5,9.7 v1(73,9.2) 71.49,10.71 71.49,11.15 v1(71.22,11.42) ; 79.54,84.05 79.54,84.25 ; 79.54,84.25 79.54,77.01 v1(79.75,76.8) ; 79.54,84.25 79.58,84.29 v1(79.58,84.76) 79.58,94.8 79.54,94.84 ; v1(73.65,27.63) 73.11,27.63 73.04,27.7 73.04,27.4 ; J26.9 J26.10 57.86,10.22 v1(56,12.08) ; v1(124.21,23.06) 124.21,22.67 124.05,22.51 v1(124.05,13.77) 126.1,11.71 J6.21 ; 57.49,102.4 54.79,102.4 54.59,102.2 53.24,102.2 53.14,102.1 47.63,102.1 ; 57.49,102.4 v1(57.49,102.7) 57.74,102.95 70.83,102.95 71.14,103.26 v1(71.14,103.65) 71.14,108.97 69.35,110.76 J13.32 69.35,120.19 ; 57.49,102.4 57.49,99.66 v1(57.05,99.22) ; 11.83,76.05 11.83,29.82 11.85,29.8 ; 11.83,76.05 11.83,77.02 v1(12.1,77.29) v1(12.1,80.75) ; 11.83,76.05 11.77,75.99 8.78,75.99 8.09,76.69 4.59,76.69 J16.1 ; 73.8,24.5 73.5,24.2 v1(73.5,23.6) ; v3(73.84,62.85) 74.09,63.1 74.09,66.67 v3(73.87,66.9) ; v1(23.35,86) 23.01,86.35 v1(23.01,96.27) ; 19.98,119.22 19.88,119.31 v1(16.24,119.31) ; 55.67,64 56.96,62.72 56.96,58.09 v1(56.55,57.68) ; 55.67,64 55.36,64.32 55.36,64.48 54.54,65.3 54.38,65.3 ; 55.67,64 55.67,64.08 v1(56.04,64.45) ; 57.9,29.5 57.9,32.1 ; J25.7 136,71.45 137.34,72.79 J24.6 ; v1(38.14,99.3) 38.76,99.92 41.39,99.92 ; 76.7,21.6 78.3,21.6 v1(79.4,22.7) ; J7.4 137.04,19.26 138.35,20.57 138.35,28.56 137.1,29.82 J21.6 ; v1(118.16,15.35) 119.07,16.27 v1(119.07,20.25) ; v1(73.6,29) 73.14,29 73.04,28.9 ; 80.5,95.9 80.6,95.9 ; v1(105.04,122.25) 105.99,121.3 106,121.3 ; 81.1,27.59 v1(85.54,27.59) 87.79,27.59 87.8,27.6 ; 81.1,27.59 v1(79.97,27.59) ; 81.1,27.59 81.13,27.63 v1(81.13,28.88) 81.13,34.63 81.2,34.7 ; v1(85.55,115.85) 85.55,115.59 85.23,115.27 ; 73.04,28.37 73.04,28.23 ; v1(47.1,64.9) 47.5,65.3 54.38,65.3 ; v1(22.45,31.47) 22.45,30 22.42,29.97 22.42,29.15 22.5,29.07 ; 87.8,21.4 87.74,21.34 v1(85.6,21.34) ; 57.9,32.1 57.9,33.79 64.81,40.7 v1(64.81,41.8) ; 57.9,32.1 57.08,32.1 55.47,33.72 v1(55.47,36.44) ; v1(48.21,104.71) 47.63,104.13 47.63,102.1 ; 25.6,29.07 25.67,29.14 v1(25.67,32.07) 27.27,33.67 v1(27.27,41.09) 24.75,43.6 v1(24.75,44.64) ; v1(69.43,22.93) 69.43,25.33 69.5,25.4 ; v1(40.5,69.9) 41.3,69.9 ; v1(102.4,130.4) 102.4,131.63 104.77,133.99 v1(104.77,139.35) ; 131.09,126.75 132.13,127.79 132.13,137.63 v1(132.65,138.15) ; 131.09,126.75 123.67,119.33 v1(123.67,114.96) ; 131.09,126.75 131.09,127.04 v1(131.1,127.05) ; 47.63,100.5 43.94,100.5 43.36,99.92 41.39,99.92 ; 47.63,100.5 47.63,102.1 ; 47.63,100.5 47.63,100 v1(47.55,99.92) ; v1(127.48,79.54) 127.41,79.61 127.38,79.58 127.38,70.92 v1(127.66,70.64) 127.66,65.9 v1(127.88,65.68) 127.88,64 v1(128.99,62.88) ; v2(16.84,20.25) 14.69,22.4 v1(14.69,24.94) 14.69,25.6 15.27,26.18 15.27,28.81 15.53,29.07 ; v1(112.19,15.8) 112.35,15.8 ; 41.39,99.92 41.42,99.94 41.42,104.82 v1(41.7,105.1) ; 54.38,65.3 54.5,65.3 ; v1(76.1,16.3) 76.65,16.3 76.65,16 ; v1(71.8,14.4) 72.8,13.4 76.7,13.4 76.7,13.7 ; v1(18.05,112.6) 18.05,114.51 v1(15.99,116.58) ; v1(81,11.3) 76.7,11.3 ; v1(42.04,65.45) 41.3,65.45 ; 79.59,34.7 79.59,38.65 78.61,39.63 v1(78.61,51.15) ; 15.17,29.44 16.14,30.41 J18.32 ; v1(99.12,3.18) 99.12,10.98 95.68,14.43 ; v1(115.09,81.49) 116.76,79.82 v1(116.76,79.64) ; v1(38.1,104.8) 38.1,104.3 37.4,103.6 37.4,100.24 v1(36.44,99.28) ; 100.09,115.39 100.09,115.37 v1(100.83,114.63) ; 88.94,61.22 88.94,61.75 v1(89.24,62.05) ; v1(125.1,45.97) 127.84,48.71 v1(127.84,53.89) ; 82.25,61.25 v1(82.25,62.73) ; J25.6 136.1,62.4 136,62.3 J25.7 136,59.75 134.6,58.35 J22.1 ; 84.7,4.54 v1(84.7,3.1)
  In1.Cu w0.5: 72.98,46.1 72.98,49.84 73.04,49.9 ; 72.98,46.1 72.93,46.16 v2(72.17,46.16) ; 72.98,46.1 72.98,44.02 73.04,43.96 ; 35.8,29.07 15.53,29.07 14.8,29.8 6.6,29.8 3.1,33.3 ; 35.8,29.07 35.84,29.11 J17.32 41.3,36.36 v2(41.3,74) ; 35.8,29.07 39.24,29.07 ; v2(73.2,85.8) 73.25,85.85 73.75,85.85 73.75,89.05 92.6,107.9 ; 73.04,25.4 73.04,35.8 ; 73.04,25.4 73.04,25.26 76.7,21.6 76.65,21.55 76.65,15.51 76.7,15.46 76.7,9.9 76.9,9.7 ; 73.04,25.4 62,25.4 57.9,29.5 47.68,29.5 ; 73.04,37.4 73.04,37.36 ; 73.04,37.36 73.04,39.69 73.55,40.2 73.55,41.2 73.04,41.71 73.04,43.9 ; 73.04,37.36 73.04,35.8 ; 73.04,43.96 73.04,45.29 ; 73.04,43.96 73.04,43.94 ; 73.04,43.96 73.04,43.94 ; 47.68,29.5 47.68,30.89 v1(47.38,31.19) ; 47.68,29.5 47.25,29.07 39.24,29.07 ; 73.04,50.14 73.04,49.9 ; 73.04,50.14 v3(73.04,60.45) ; 73.04,50.14 73.04,49.9 ; 73.04,49.9 v2(72.3,49.9) ; 39.24,29.07 39.3,29.01 U23.4 ; 73.04,43.9 73,43.9 73.04,43.94 ; 73.04,43.9 73.04,43.94 ; v2(123.9,139.2) 109.94,125.24 109.94,125.07 107.11,122.25 106.95,122.25 100.09,115.39 92.6,107.9 ; 73.04,35.8 74.6,35.8 75.7,34.7 85.1,34.7 87.8,32 v1(87.8,19.1) 94,19.1 v1(95.2,17.9) 100.05,17.9 ; 92.6,107.9 85.23,115.27 80.5,120 v1(70.7,120) ; 76.9,9.7 v1(77.3,9.3) 76.9,9.7 ; v3(73.84,61.25) 82.25,61.25 82.28,61.22 90.34,61.22 90.37,61.25 110.95,61.25 J20.1 116.74,55.3 112.35,50.91 J6.10
  In2.Cu w0.35: 73.84,76.44 73.84,74.74 v1(73.5,74.41) ; 73.84,76.44 73.9,76.49 73.9,77.85 ; 73.84,76.44 73.88,76.39 73.88,72.89 73.84,72.85 ; J8.1 28.69,100.5 v1(28.8,100.38) 29.91,99.28 v1(36.44,99.28) ; J20.1 117.04,55.3 118.29,54.04 120.46,54.04 123.03,51.47 ; v1(99.12,3.18) 99.2,3.1 J6.1 ; J25.7 134.32,70.17 133.85,70.64 v1(127.66,70.64) ; v1(78.64,72.35) 78.1,72.89 74.68,72.89 74.65,72.85 73.84,72.85 ; v1(67.64,75.65) 68.24,75.65 70.44,77.85 73.9,77.85 ; v1(131.2,45.42) 125.66,45.42 v1(125.1,45.97) ; J6.21 126.2,3.2 J4.1 ; v1(112.62,101.4) 112.02,101.4 106,95.38 v1(106,94.58) ; v1(16.24,119.31) 15.99,119.06 v1(15.99,116.58) ; v1(20.61,73.22) 16.54,77.29 v1(12.1,77.29) ; v1(17.8,109.95) 17.65,110.1 17.65,112.2 v1(18.05,112.6) ; J7.5 131.55,13.77 v1(124.05,13.77) ; 53.1,85.8 53.1,85.7 v1(53.4,85.4) ; v1(87.1,13.8) 86.64,13.34 v1(84.6,13.34) ; v1(12.1,80.75) 12.3,80.95 18.3,80.95 v1(23.35,86) ; v1(79.58,84.76) 78.87,84.05 74.95,84.05 74.92,84.08 ; v1(98.97,71.39) 99.75,70.6 v1(106,70.6) ; v1(65.84,74.45) 65.45,74.45 61.65,70.65 v1(59.64,70.65) ; v1(116.76,79.64) 117.04,79.91 127.11,79.91 v1(127.48,79.54) ; J25.7 133.63,61.03 131.77,62.88 v1(128.99,62.88) ; 74.92,84.08 v2(73.2,85.8) ; 74.92,84.08 73.9,83.05 73.9,77.85 ; 123.03,51.47 125.44,53.89 v1(127.84,53.89) 128.86,53.89 129.08,54.1 J22.1 ; 123.03,51.47 123.03,51.25 v1(122.93,51.15) ; v1(48.21,104.71) 48.05,104.55 42.25,104.55 v1(41.7,105.1) ; v1(63.2,2.66) 62.96,2.9 J26.9 ; v3(73.87,66.9) 74.07,67.1 74.07,72.62 73.84,72.85 ; v1(55.47,36.44) 55.26,36.24 50.49,36.24 v1(50.25,36.48) ; v1(118.16,15.35) 117.71,15.8 v1(112.19,15.8) ; v1(40.5,69.9) 38.8,71.6 v1(34.1,71.6) ; v1(47.9,80) 47.7,80.2 47.5,80.2 ; v1(47.55,99.92) 49.45,99.92 50.18,99.19 57.02,99.19 v1(57.05,99.22) ; v1(56,12.08) 56.77,12.85 v1(66.7,12.85)
  In2.Cu w0.5: v2(41.3,74) 47.5,80.2 47.5,85.8 v2(73.2,85.8)
  Bottom w0.15: v3(73.04,61.25) 72.89,61.4 72.89,62.05 ; v3(73.04,61.25) 72.64,61.25 72.39,61 72.39,60.45 v3(73.04,60.45) v3(73.04,61.25) ; v3(73.84,62.85) 73.64,62.85 72.89,62.1 72.89,62.05 ; v3(73.84,60.45) 74.44,60.45 74.59,60.3 75.04,60.3 75.04,60.05 v3(74.64,59.65) 74.44,59.45 73.99,59.45 74.04,59.5 74.04,60.25 v3(73.84,60.45) ; v3(73.84,60.45) v3(73.84,61.25) ; 72.89,62.05 v3(72.24,62.05)
  Bottom w0.35: J26.9 56.6,4.16 39,4.16 38.86,4.03 ; v1(59.64,70.65) 59.37,70.38 v1(59.37,66.52) 58.11,66.52 v1(56.04,64.45) ; v1(127.48,79.54) 128.57,79.54 131.89,82.86 131.89,111.75 128.68,114.96 v1(123.67,114.96) ; v1(2.79,99.81) 5.5,102.52 J10.1 7.64,106 v1(8.27,106.63) 11.29,109.65 v1(11.29,116.58) 12.2,117.48 v1(12.2,120.8) 12.2,124.3 v1(10.8,125.7) v1(7.6,125.7) ; v1(116.76,79.64) 116.76,75.12 112.24,70.6 v1(106,70.6) ; v1(79.4,16.3) v1(79.4,22.7) 79.4,23.09 79.29,23.2 78.6,23.2 ; v1(71.14,103.65) 71.14,98.01 v1(70.29,97.17) ; v1(105.04,122.25) 105.04,130.46 103.58,131.91 103.05,131.91 102.4,131.26 v1(102.4,130.4) ; v1(78.61,51.15) 78.06,51.7 77.64,51.7 ; v1(98.17,72.18) v1(98.97,71.39) ; 73.64,67.7 73.64,67.13 v3(73.87,66.9) ; J8.1 22.5,96.78 v1(23.01,96.27) ; v1(119.07,20.25) 119.07,20.64 121.77,23.33 123.93,23.33 v1(124.21,23.06) ; v1(34.1,71.6) 23.7,71.6 v1(22.9,70.8) 22.9,70.93 v1(20.61,73.22) ; 68.67,50.42 68.67,51.07 v1(69.36,51.76) 69.34,51.78 69.34,53.12
